# KiCad board Battman.kicad_pcb
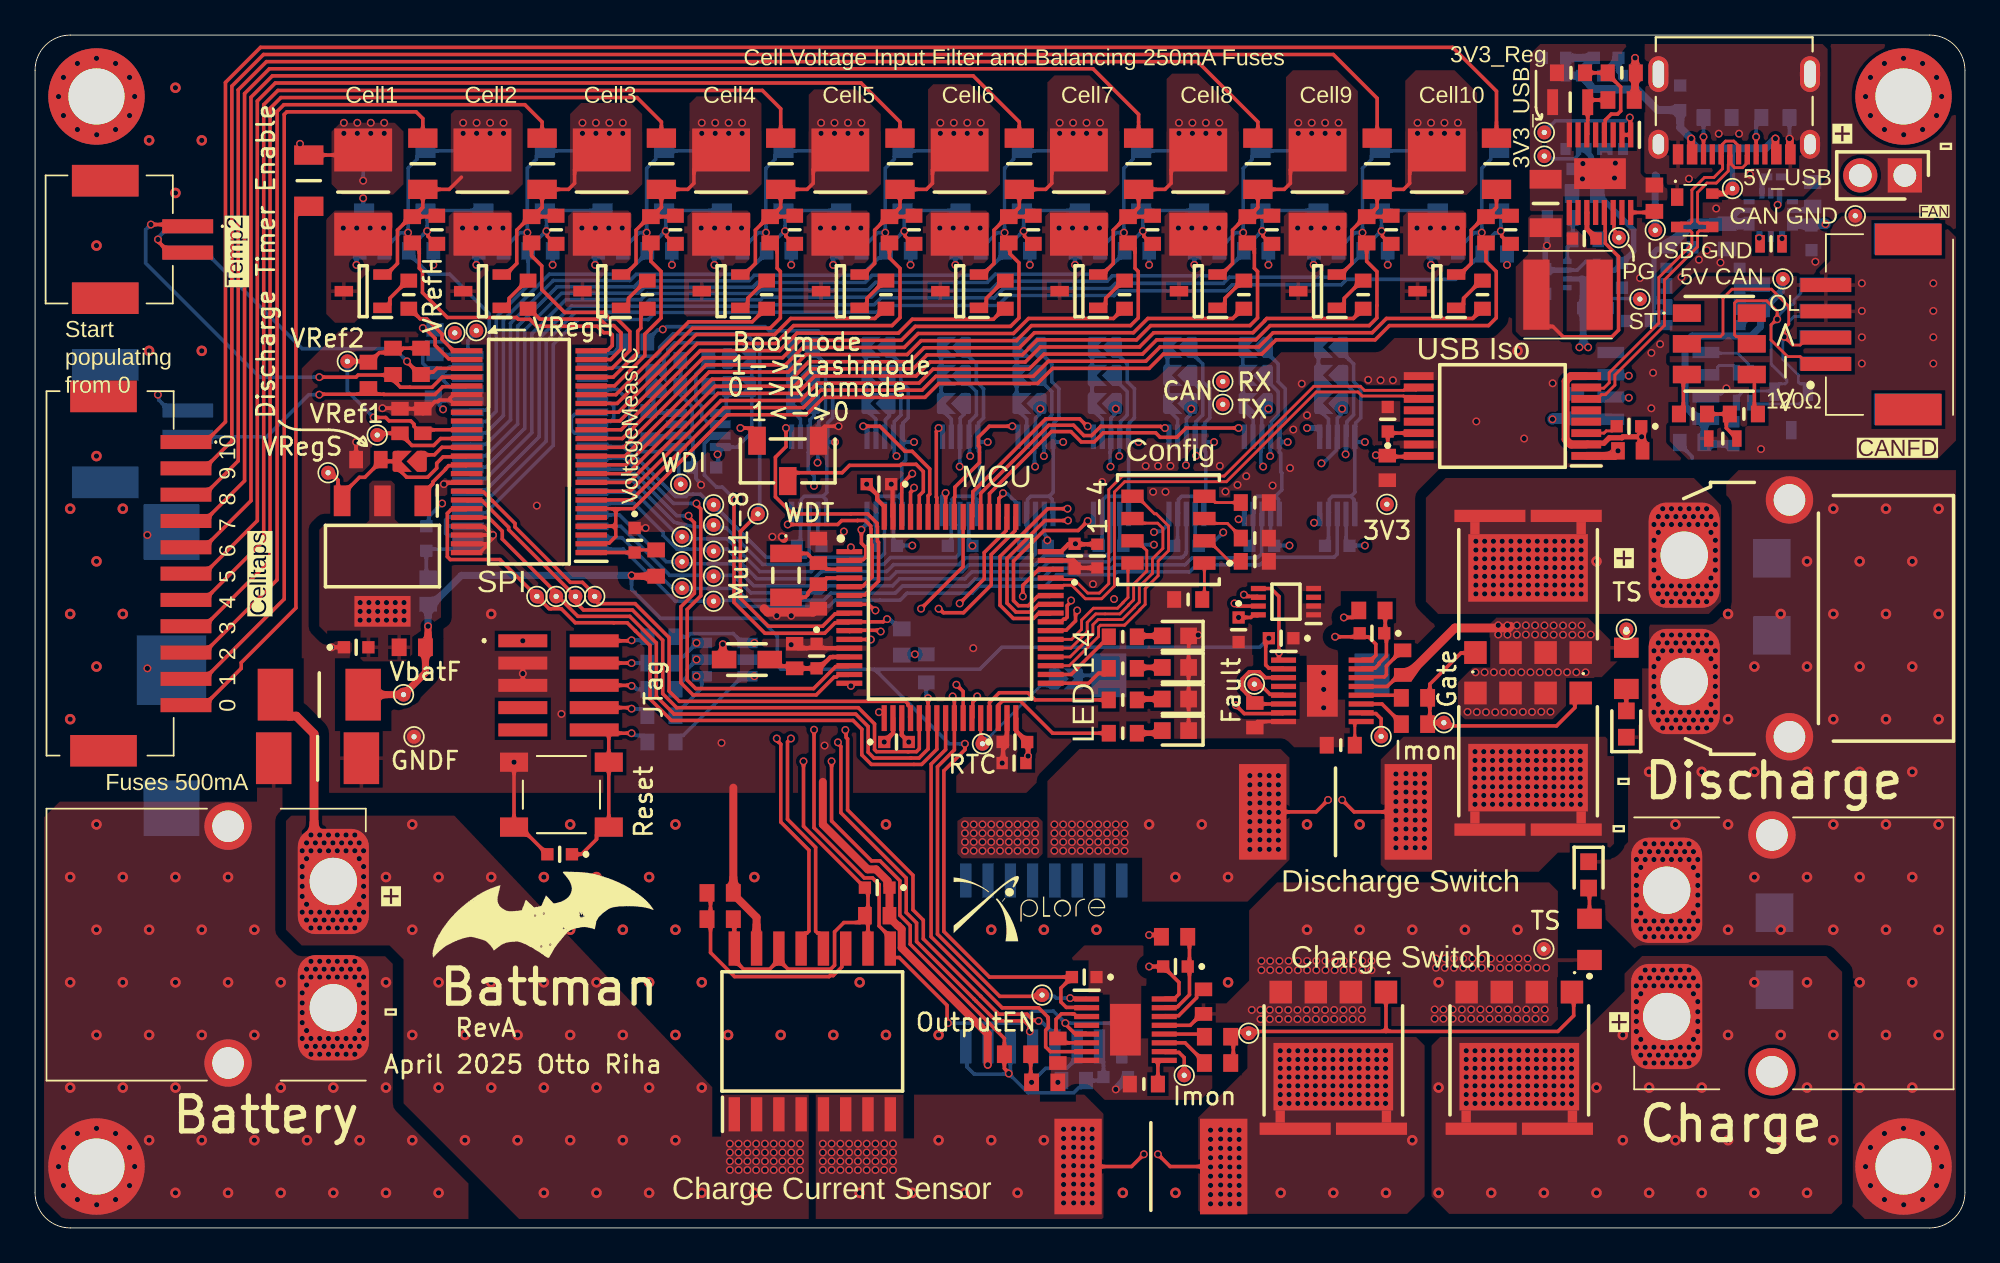
[diagram p0: board, top side]
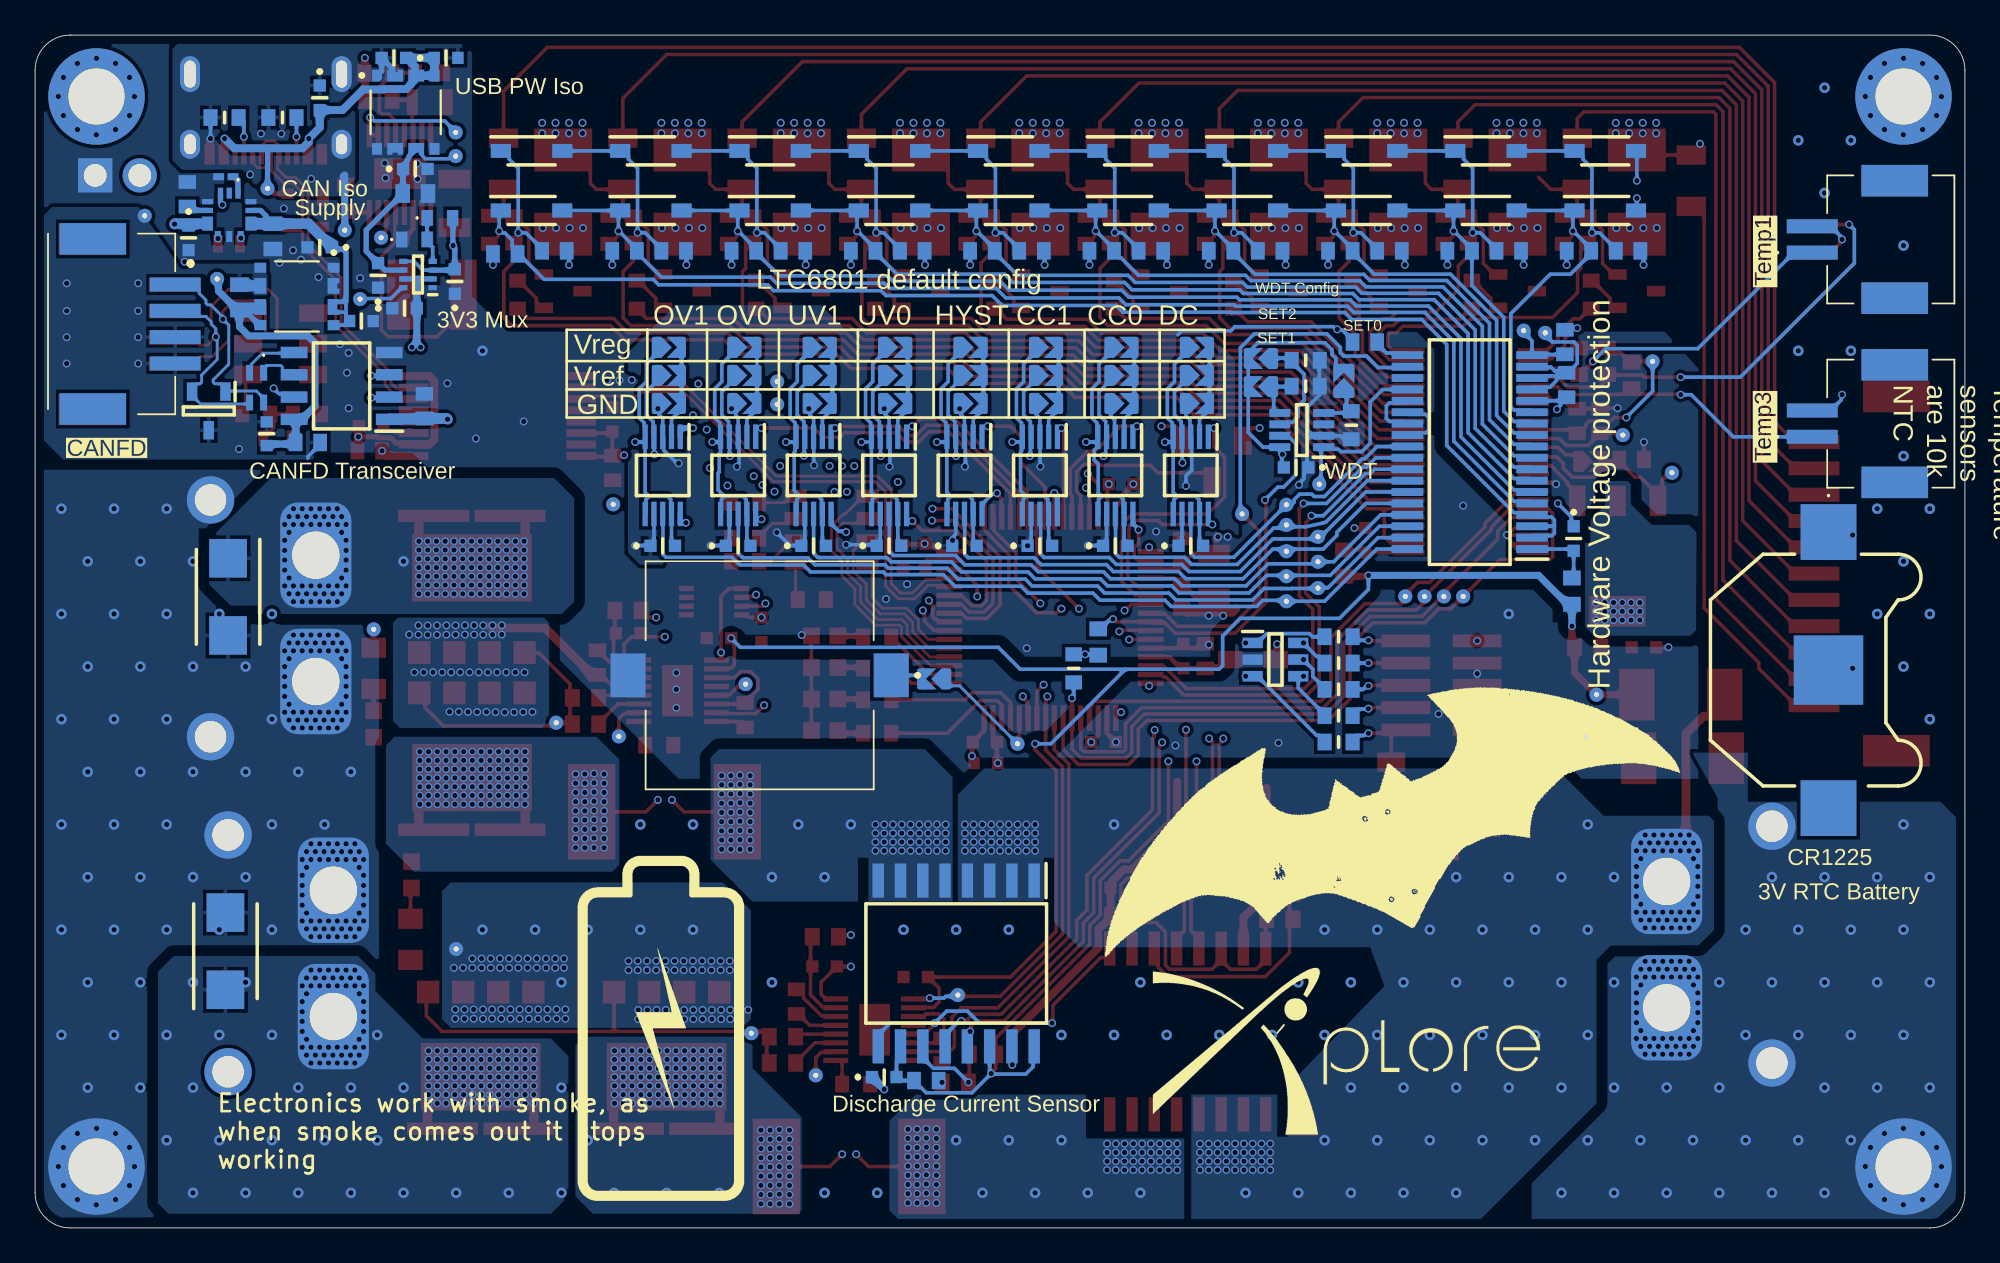
[diagram p1: board, bottom side, seen from below]

Outline 110 x 68 mm; copper layers: Top Layer, Mid Layer 1, Mid Layer 2, Mid Layer 3, Mid Layer 4, Bottom Layer. Coordinates in mm from the lower left corner of the outline.
Outline path: 0,66 arc(0.59,67.41) 2,68 108,68 arc(109.41,67.41) 110,66 110,2 arc(109.41,0.59) 108,0 2,0 arc(0.59,0.59) 0,2 0,66

## Placement (name value [footprint] x y rotation side)
BT700  -  [3000TR]  8.5 31.8 270 bottom
C200A  10nF 100V X7R  [CAPC1608X90N]  22 55.7 180 bottom
C200B  10nF 100V X7R  [CAPC1608X90N]  28.8 55.7 180 bottom
C200C  10nF 100V X7R  [CAPC1608X90N]  35.6 55.7 180 bottom
C200D  10nF 100V X7R  [CAPC1608X90N]  42.4 55.7 180 bottom
C200E  10nF 100V X7R  [CAPC1608X90N]  49.2 55.7 180 bottom
C200F  10nF 100V X7R  [CAPC1608X90N]  56 55.7 180 bottom
C200G  10nF 100V X7R  [CAPC1608X90N]  62.8 55.7 180 bottom
C200H  10nF 100V X7R  [CAPC1608X90N]  69.6 55.7 180 bottom
C200I  10nF 100V X7R  [CAPC1608X90N]  76.4 55.7 180 bottom
C200J  10nF 100V X7R  [CAPC1608X90N]  83.2 55.52 180 bottom
C201A  10nF 100V X7R  [CAPC1608X90N]  19.2 55.7 0 bottom
C201B  10nF 100V X7R  [CAPC1608X90N]  26 55.7 0 bottom
C201C  10nF 100V X7R  [CAPC1608X90N]  32.8 55.7 0 bottom
C201D  10nF 100V X7R  [CAPC1608X90N]  39.6 55.7 0 bottom
C201E  10nF 100V X7R  [CAPC1608X90N]  46.4 55.7 0 bottom
C201F  10nF 100V X7R  [CAPC1608X90N]  53.2 55.7 0 bottom
C201G  10nF 100V X7R  [CAPC1608X90N]  60 55.7 0 bottom
C201H  10nF 100V X7R  [CAPC1608X90N]  66.8 55.7 0 bottom
C201I  10nF 100V X7R  [CAPC1608X90N]  73.6 55.7 0 bottom
C201J  10nF 100V X7R  [CAPC1608X90N]  80.4 55.7 0 bottom
C300  1uF 50V X7R  [CAPC1608X90N]  22.7 48.05 270 bottom
C301  1nF 25V COG  [CAPC1608X90N]  34.2 50.5 180 bottom
C302  1uF 50V X7R  [CAPC1608X90N]  22.8 50.5 90 bottom
C303  100 nF, 100V, X7R  [MAJx16]  38.13 43.35 0 bottom
C304  100 nF, 100V, X7R  [MAJx16]  22.3 39.3 270 bottom
C400  10uF 10V X7R  [GRM18x]  86.58 66.7 0 bottom
C401  100 nF, 100V, X7R  [MAJx16]  89.55 66.7 0 bottom
C402  220nF 50V X7R  [GRM18x]  88.3 56.4 180 top
C403  33uF 25V X5R  [CAPC3216X180N]  86.1 58.4 270 top
C404  2.2 uF, 100V, X7R  [CAPC2012X145N]  87.5 64.17 0 top
C405  100 nF, 100V, X7R  [MAJx16]  88.94 52.43 180 bottom
C406  100 nF, 100V, X7R  [MAJx16]  86.07 53.95 90 bottom
C407  100 nF, 100V, X7R  [MAJx16]  90.45 54.3 90 bottom
C408  100 nF, 100V, X7R  [MAJx16]  93.78 64.42 270 bottom
C409  100 nF, 100V, X7R  [MAJx16]  90.85 45.7 180 top
C410  100 nF, 100V, X7R  [MAJx16]  77.1 46.1 90 top
C411  1uF 50V X7R  [CAPC1608X90N]  77.08 43.32 90 top
C412  1uF 50V X7R  [CAPC1608X90N]  90.93 44.3 0 top
C413  100 nF, 100V, X7R  [MAJx16]  88.33 60.37 180 bottom
C414  22uF 10V X5R  [CAPC1608X105N]  88.33 58.97 0 bottom
C415  10uF 10V X7R  [GRM18x]  91.4 51.7 0 bottom
C416  100 nF, 100V, X7R  [MAJx16]  93.78 55.9 0 bottom
C418  22uF 10V X5R  [CAPC1608X105N]  98.35 53.05 270 bottom
C419  1uF 50V X7R  [CAPC1608X90N]  101.32 58.92 270 bottom
C420  100 nF, 100V, X7R  [MAJx16]  101.25 56.44 270 bottom
C421  22uF 10V X5R  [CAPC1608X105N]  96.45 56.52 90 bottom
C500A  100 nF, 100V, X7R  [MAJx16]  74.23 38.88 180 bottom
C500B  100 nF, 100V, X7R  [MAJx16]  69.93 38.88 180 bottom
C500C  100 nF, 100V, X7R  [MAJx16]  65.63 38.88 180 bottom
C500D  100 nF, 100V, X7R  [MAJx16]  61.33 38.88 180 bottom
C500E  100 nF, 100V, X7R  [MAJx16]  57.03 38.88 180 bottom
C500F  100 nF, 100V, X7R  [MAJx16]  52.73 38.88 180 bottom
C500G  100 nF, 100V, X7R  [MAJx16]  48.43 38.88 180 bottom
C500H  100 nF, 100V, X7R  [MAJx16]  44.13 38.88 180 bottom
C600  100 nF, 100V, X7R  [MAJx16]  18.3 33.1 0 top
C601  1uF 50V X7R  [CAPC1608X90N]  22.1 46 90 top
C602  1uF 50V X7R  [CAPC1608X90N]  20.8 46 90 top
C603  1uF 50V X7R  [CAPC1608X90N]  19 43.8 180 top
C604  100 nF, 100V, X7R  [MAJx16]  34.18 39.2 270 top
C700  1uF 50V X7R  [CAPC1608X90N]  43.3 32.6 270 top
C701  100 nF, 100V, X7R  [MAJx16]  44.55 32.6 270 top
C702  4.7uF, 10V, X7R  [GRM18x]  55.8 26.5 0 top
C703  100 nF, 100V, X7R  [MAJx16]  48.1 42.4 180 top
C704  100 nF, 100V, X7R  [MAJx16]  55.85 27.7 0 top
C705  100 nF, 100V, X7R  [MAJx16]  49.1 27.7 0 top
C706  4.7uF, 10V, X7R  [GRM18x]  60.55 38.3 90 top
C707  100 nF, 100V, X7R  [MAJx16]  59.25 38.3 90 top
C708  100 nF, 100V, X7R  [MAJx16]  29.9 21.3 180 top
C709  4.7uF, 10V, X7R  [GRM18x]  96.8 45.27 270 bottom
C710  100nF 100V X5R  [CAPC1608X90N]  94.45 44.77 0 bottom
C712  100nF 100V X5R  [CAPC1608X90N]  87.81 46.85 270 bottom
C713  4.7nF 100V X7R  [CAPC1608X80N]  96.2 45 0 top
C714  10pF 50V C0G  [CAPC1608X90N]  44.65 38.6 90 top
C715  10pF 50V C0G  [CAPC1608X90N]  44.65 36 270 top
C800A  100 nF, 100V, X7R  [MAJx16]  48 19.4 180 top
C800B  100 nF, 100V, X7R  [MAJx16]  61.6 8.6 180 bottom
C801A  1uF 50V X7R  [CAPC1608X90N]  58.3 10.1 90 top
C801B  1uF 50V X7R  [CAPC1608X90N]  69.53 29.22 90 top
C802A  680nF, 35V, X7R  [CAPC1608X90N]  66.6 12.9 270 top
C802B  680nF, 35V, X7R  [CAPC1608X90N]  77.95 32.22 270 top
C803A  100 nF, 100V, X7R  [MAJx16]  59.8 14.3 180 top
C803B  100 nF, 100V, X7R  [MAJx16]  71.02 33.62 180 top
C804A  1uF 50V X7R  [CAPC1608X90N]  48 17.8 180 top
C804B  1uF 50V X7R  [CAPC1608X90N]  59.2 8.4 0 bottom
C805A  100 nF, 100V, X7R  [MAJx16]  65 14.9 180 top
C805B  100 nF, 100V, X7R  [MAJx16]  76.2 33.9 180 top
C900  100 nF, 100V, X7R  [MAJx16]  68.6 34.1 270 top
D401  PRTR5V0U2X,215  [PRTR5V0U2X]  94.6 58.01 270 top
D700  PESD2CANFD27V-TR  [SOT95P230X110-3N]  100.1 46.57 270 bottom
D800A  SMBJ43A  [DIOM5436X244N]  99.15 15.77 90 bottom
D800B  SMBJ43A  [DIOM5436X244N]  99 35.97 270 bottom
F1  0448.500MR  [FUSC6127X294N]  16.2 30.4 0 top
F2  0448.500MR  [FUSC6127X294N]  16.1 26.77 0 top
F100  0466.250NR  [FUSC3215X66N]  15.6 59.7 90 top
F200A  0466.250NR  [FUSC3215X66N]  22.1 60.66 270 top
F200B  0466.250NR  [FUSC3215X66N]  28.9 60.66 270 top
F200C  0466.250NR  [FUSC3215X66N]  35.7 60.66 270 top
F200D  0466.250NR  [FUSC3215X66N]  42.5 60.66 270 top
F200E  0466.250NR  [FUSC3215X66N]  49.3 60.66 270 top
F200F  0466.250NR  [FUSC3215X66N]  56.1 60.66 270 top
F200G  0466.250NR  [FUSC3215X66N]  62.9 60.66 270 top
F200H  0466.250NR  [FUSC3215X66N]  69.7 60.66 270 top
F200I  0466.250NR  [FUSC3215X66N]  76.5 60.66 270 top
F200J  0466.250NR  [FUSC3215X66N]  83.3 60.66 270 top
FB700  742792097  [FP-742792097-MFG]  40.58 32.4 180 top
FL700  ACE1V2012-121-R  [ACE1V2012121R]  97.38 47.9 270 bottom
IC300  LTC6801IG#3ZZPBF  [SOP65P780X200-36N]  28.23 44.22 0 bottom
IC301  MAX6369KA_V+T  [SOT65P280X145-8N]  37.8 45.48 0 bottom
IC400  MAX77827BEFD+T  [MAX77827BEFDT]  98.93 57.75 270 bottom
IC401  LT3990IMSE-3.3#PBF  [SOP50P490X110-17N]  89.2 60.1 270 top
IC402  TPS2116DRLR  [SOTFL50P160X60-8N]  88.18 54.35 0 bottom
IC403  ISOUSB111DWXR  [SOP65P1030X260-16N]  83.64 46.29 180 top
IC500A  ADG704BRMZ  [SOP50P490X110-10N]  74.23 42.9 270 bottom
IC500B  ADG704BRMZ  [SOP50P490X110-10N]  69.93 42.9 270 bottom
IC500C  ADG704BRMZ  [SOP50P490X110-10N]  65.63 42.9 270 bottom
IC500D  ADG704BRMZ  [SOP50P490X110-10N]  61.33 42.9 270 bottom
IC500E  ADG704BRMZ  [SOP50P490X110-10N]  57.03 42.9 270 bottom
IC500F  ADG704BRMZ  [SOP50P490X110-10N]  52.73 42.9 270 bottom
IC500G  ADG704BRMZ  [SOP50P490X110-10N]  48.43 42.9 270 bottom
IC500H  ADG704BRMZ  [SOP50P490X110-10N]  44.13 42.9 270 bottom
IC600  LTC6811IG-2#PBF  [SOP50P780X200-48N]  28.15 44.25 180 top
IC700  STM32L552RET6  [QFP50P1200X1200X160-64N]  52.15 34.8 0 top
IC701  ISO1044BDR  [SOIC127P600X175-8N]  92.53 48 0 bottom
IC702  ESDA6V1-5SC6  [SOT95P280X145-6N]  39.3 32.4 180 bottom
IC800A  ACS37002KMABTR-050B3  [SOIC127P1030X265-16N]  44.3 11.2 90 top
IC800B  ACS37002KMABTR-050B3  [SOIC127P1030X265-16N]  57.5 15.07 270 bottom
IC801A  LTC7000EMSE#PBF  [SOP50P490X110-17N]  62.15 11.3 0 top
IC801B  LTC7000EMSE#PBF  [SOP50P490X110-17N]  73.37 30.62 0 top
IC900  SN74LVC2G74DCUTE4  [SOP50P310X90-8N]  71.3 35.7 180 top
J1  XT60PW-M  [XT60PWM]  17 16.15 90 top
J2  XT60PW-M  [XT60PWM#2]  93 15.65 270 top
J3  502585-0270  [5025850270]  5.38 56.35 90 bottom
J4  XT60PW-F  [XT60PWF]  94 38.35 270 top
J5  502585-0270  [5025850270]  5.38 56.35 270 top
J6  502585-0270  [5025850270]  5.38 45.85 90 bottom
J7  502585-1170  [5025851170]  5.5 38.05 270 top
J8  502585-0470  [5025850470]  105.64 51.53 270 bottom
J9  502585-0470  [5025850470]  105.7 51.5 90 top
J10  10171746-00021LF  [AMPHENOL_10171746-00021LF]  96.85 65.77 180 top
J11  61300211121  [HDRV2W110P0X254_1X2_508X254X854P]  106.58 60 180 top
J700  FTSH-105-01-L-DV-K  [FTSH10501LDVK]  27.8 30.93 270 top
JS300  SolderJumper  [SOLDERJUMPER]  35.4 48.33 180 bottom
JS301  SolderJumper  [SOLDERJUMPER]  40.18 47.96 90 bottom
JS302  SolderJumper  [SOLDERJUMPER]  40.18 49.56 90 bottom
JS500A  SolderJumper  [SOLDERJUMPER]  73.83 50.2 270 bottom
JS500B  SolderJumper  [SOLDERJUMPER]  69.53 50.2 270 bottom
JS500C  SolderJumper  [SOLDERJUMPER]  65.23 50.2 270 bottom
JS500D  SolderJumper  [SOLDERJUMPER]  60.93 50.2 270 bottom
JS500E  SolderJumper  [SOLDERJUMPER]  56.63 50.2 270 bottom
JS500F  SolderJumper  [SOLDERJUMPER]  52.33 50.2 270 bottom
JS500G  SolderJumper  [SOLDERJUMPER]  48.03 50.2 270 bottom
JS500H  SolderJumper  [SOLDERJUMPER]  43.73 50.2 270 bottom
JS501A  SolderJumper  [SOLDERJUMPER]  73.83 48.6 270 bottom
JS501B  SolderJumper  [SOLDERJUMPER]  69.53 48.6 270 bottom
JS501C  SolderJumper  [SOLDERJUMPER]  65.23 48.6 270 bottom
JS501D  SolderJumper  [SOLDERJUMPER]  60.93 48.6 270 bottom
JS501E  SolderJumper  [SOLDERJUMPER]  56.63 48.6 270 bottom
JS501F  SolderJumper  [SOLDERJUMPER]  52.33 48.6 270 bottom
JS501G  SolderJumper  [SOLDERJUMPER]  48.03 48.6 270 bottom
JS501H  SolderJumper  [SOLDERJUMPER]  43.73 48.6 270 bottom
JS502A  SolderJumper  [SOLDERJUMPER]  73.83 47 270 bottom
JS502B  SolderJumper  [SOLDERJUMPER]  69.53 47 270 bottom
JS502C  SolderJumper  [SOLDERJUMPER]  65.23 47 270 bottom
JS502D  SolderJumper  [SOLDERJUMPER]  60.93 47 270 bottom
JS502E  SolderJumper  [SOLDERJUMPER]  56.63 47 270 bottom
JS502F  SolderJumper  [SOLDERJUMPER]  52.33 47 270 bottom
JS502G  SolderJumper  [SOLDERJUMPER]  48.03 47 270 bottom
JS502H  SolderJumper  [SOLDERJUMPER]  43.73 47 270 bottom
JS600  SolderJumper  [SOLDERJUMPER]  21.3 43.7 90 top
JS700  SolderJumper  [SOLDERJUMPER]  58.8 31.3 90 bottom
L400  VLS5045EX-220M  [VLS5045EX330M]  87.38 53.2 180 top
L401  DFE18SBN1R0ME0L  [DFE18SAN1R0ME0L]  98.95 56.1 180 top
LED700  150060VS75000  [LEDC1608X80N]  65 33.75 180 top
LED701  150060YS75000  [LEDC1608X80N]  65 31.95 180 top
LED702  150060AS75000  [LEDC1608X80N]  65 30.15 180 top
LED703  150060RS75000  [LEDC1608X80N]  65 28.35 180 top
LED800A  150060VS75000  [LEDC1608X80N]  88.55 20.12 270 top
LED800B  150060VS75000  [LEDC1608X80N]  90.7 28.72 90 top
LS700  CPT-1625-80-SMT-TR  [CPT162580SMTTR]  68.7 31.5 90 bottom
PS400  R05C1TF05S-R  [CONV_R05C1TF05S-R]  88.88 63.6 180 bottom
PS401  R05C1TF05S-R  [CONV_R05C1TF05S-R]  95.08 53.1 270 bottom
Q200A  NX2301P,215  [SOT95P230X110-3N]  18.7 53.4 180 top
Q200B  NX2301P,215  [SOT95P230X110-3N]  25.5 53.4 180 top
Q200C  NX2301P,215  [SOT95P230X110-3N]  32.3 53.4 180 top
Q200D  NX2301P,215  [SOT95P230X110-3N]  39.1 53.4 180 top
Q200E  NX2301P,215  [SOT95P230X110-3N]  45.9 53.4 180 top
Q200F  NX2301P,215  [SOT95P230X110-3N]  52.7 53.4 180 top
Q200G  NX2301P,215  [SOT95P230X110-3N]  59.5 53.4 180 top
Q200H  NX2301P,215  [SOT95P230X110-3N]  66.3 53.4 180 top
Q200I  NX2301P,215  [SOT95P230X110-3N]  73.1 53.4 180 top
Q200J  NX2301P,215  [SOT95P230X110-3N]  79.9 53.4 180 top
Q600  BCP56-16TF  [SOT230P700X180-4N]  19.8 38.3 270 top
Q800A  SQJQ160E-T1_GE3  [SQJQ160ET1_GE3]  74 9.55 180 top
Q800B  SQJQ160E-T1_GE3  [SQJQ160ET1_GE3]  85.1 26.6 180 top
Q801A  SQJQ160E-T1_GE3  [SQJQ160ET1_GE3]  84.6 9.55 180 top
Q801B  SQJQ160E-T1_GE3  [SQJQ160ET1_GE3]  85.1 36.69 0 top
R1  CRCW06035K10FKEBC  [RESC1608X55N]  95.9 63.3 180 bottom
R2  CRCW06035K10FKEBC  [RESC1608X55N]  99.2 63.3 180 bottom
R200A  AF0603FR-071KL  [RESC1608X55N]  22.9 56.9 270 top
R200B  AF0603FR-071KL  [RESC1608X55N]  29.7 56.9 270 top
R200C  AF0603FR-071KL  [RESC1608X55N]  36.5 56.9 270 top
R200D  AF0603FR-071KL  [RESC1608X55N]  43.3 56.9 270 top
R200E  AF0603FR-071KL  [RESC1608X55N]  50.1 56.9 270 top
R200F  AF0603FR-071KL  [RESC1608X55N]  56.9 56.9 270 top
R200G  AF0603FR-071KL  [RESC1608X55N]  63.7 56.9 270 top
R200H  AF0603FR-071KL  [RESC1608X55N]  70.5 56.9 270 top
R200I  AF0603FR-071KL  [RESC1608X55N]  77.3 56.9 270 top
R200J  AF0603FR-071KL  [RESC1608X55N]  84.1 56.9 270 top
R201A  CRCW0603100RFKEA  [RESC1608X50N]  21.5 56.9 270 top
R201B  CRCW0603100RFKEA  [RESC1608X50N]  28.3 56.9 270 top
R201C  CRCW0603100RFKEA  [RESC1608X50N]  35.1 56.9 270 top
R201D  CRCW0603100RFKEA  [RESC1608X50N]  41.9 56.9 270 top
R201E  CRCW0603100RFKEA  [RESC1608X50N]  48.7 56.9 270 top
R201F  CRCW0603100RFKEA  [RESC1608X50N]  55.5 56.9 270 top
R201G  CRCW0603100RFKEA  [RESC1608X50N]  62.3 56.9 270 top
R201H  CRCW0603100RFKEA  [RESC1608X50N]  69.1 56.9 270 top
R201I  CRCW0603100RFKEA  [RESC1608X50N]  75.9 56.9 270 top
R201J  CRCW0603100RFKEA  [RESC1608X50N]  82.7 56.9 270 top
R202A  3k3 1%  [RESC1608X55N]  21.3 53.2 270 top
R202B  3k3 1%  [RESC1608X55N]  28.1 53.2 270 top
R202C  3k3 1%  [RESC1608X55N]  34.9 53.2 270 top
R202D  3k3 1%  [RESC1608X55N]  41.7 53.2 270 top
R202E  3k3 1%  [RESC1608X55N]  48.5 53.2 270 top
R202F  3k3 1%  [RESC1608X55N]  55.3 53.2 270 top
R202G  3k3 1%  [RESC1608X55N]  62.1 53.2 270 top
R202H  3k3 1%  [RESC1608X55N]  68.9 53.2 270 top
R202I  3k3 1%  [RESC1608X55N]  75.7 53.2 270 top
R202J  3k3 1%  [RESC1608X55N]  82.5 53.2 270 top
R203A  33R, 2W, 5%  [RESC6331X80N]  18.7 59.05 270 top
R203B  33R, 2W, 5%  [RESC6331X80N]  25.5 59.05 270 top
R203C  33R, 2W, 5%  [RESC6331X80N]  32.3 59.05 270 top
R203D  33R, 2W, 5%  [RESC6331X80N]  39.1 59.05 270 top
R203E  33R, 2W, 5%  [RESC6331X80N]  45.9 59.05 270 top
R203F  33R, 2W, 5%  [RESC6331X80N]  52.7 59.05 270 top
R203G  33R, 2W, 5%  [RESC6331X80N]  59.5 59.05 270 top
R203H  33R, 2W, 5%  [RESC6331X80N]  66.3 59.05 270 top
R203I  33R, 2W, 5%  [RESC6331X80N]  73.1 59.05 270 top
R203J  33R, 2W, 5%  [RESC6331X80N]  79.9 59.05 270 top
R300  100k 1%  [RESC1608X55N]  34.98 45.76 90 bottom
R301  100k 1%  [RESC1608X55N]  37.58 47.98 0 bottom
R302  100k 1%  [RESC1608X55N]  37.58 49.46 0 bottom
R303  CRCW0603100RFKEA  [RESC1608X50N]  22.4 36.3 90 bottom
R400  4.99k 1%  [RESC0603X26N]  99.13 59.92 0 bottom
R402  1.3M 1%  [RESC1608X55N]  90.44 65.85 0 top
R403  232k 1%  [RESC1608X50N]  92.3 58.7 90 top
R404  100R, 1%  [RESC1608X50N]  90.4 64.3 0 top
R405  100k 1%  [RESC1608X55N]  87.55 65.85 0 top
R406  150k 0.5%  [ERA3AEB101V]  86.93 57.57 180 bottom
R407  150k 0.5%  [ERA3AEB101V]  88.37 56.35 180 bottom
R600  CRCW0603100RFKEA  [RESC1608X50N]  21.5 33.1 180 top
R601  CRCW060310K0FKEI  [RESC1608X50N]  19 48.6 270 top
R602  CRCW060310K0FKEI  [RESC1608X50N]  20.4 49.4 270 top
R603  CRCW060310K0FKEI  [RESC1608X50N]  22 49.4 270 top
R604  CRCW0603100RFKEA  [RESC1608X50N]  35.4 37.9 90 top
R700  270R 1%  [RESC1608X55N]  62 33.7 180 top
R701  270R 1%  [RESC1608X55N]  62 31.9 180 top
R702  270R 1%  [RESC1608X55N]  62 30.1 180 top
R703  270R 1%  [RESC1608X55N]  62 28.2 180 top
R704  22Ohm 1%  [RESC1608X55N]  65.73 35.82 0 top
R705  22Ohm 1%  [RESC1608X55N]  69.53 38 180 top
R706  22Ohm 1%  [RESC1608X55N]  69.53 39.32 180 top
R707  22Ohm 1%  [RESC1608X55N]  69.53 41.35 180 top
R708  60.4R, 1%  [RESC1608X55N]  97.4 46.4 180 top
R709  60.4R, 1%  [RESC1608X55N]  94.5 46.4 180 top
R711  5.1k, 1%  [RESC1608X55N]  50.8 31.9 270 bottom
R712  22Ohm 1%  [RESC1608X55N]  35.7 33.7 0 bottom
R713  22Ohm 1%  [RESC1608X55N]  35.7 32.2 0 bottom
R714  22Ohm 1%  [RESC1608X55N]  35.7 30.7 0 bottom
R715  22Ohm 1%  [RESC1608X55N]  35.7 29.2 0 bottom
R716  22Ohm 1%  [RESC1608X55N]  35.7 27.7 0 bottom
R800A  3.3k 0.5% 0.5W  [ERJP06D1000V]  88.6 16.45 90 top
R800B  3.3k 0.5% 0.5W  [ERJP06D1000V]  90.7 31.9 270 top
R801A  0Ohm  [RESC1608X50N]  39.05 17.6 0 top
R801B  0Ohm  [RESC1608X50N]  56 9.9 180 top
R802A  0Ohm  [RESC1608X50N]  39.05 19.1 180 top
R802B  0Ohm  [RESC1608X50N]  57.55 8.3 180 top
R803A  0Ohm  [RESC1608X50N]  67.4 10.9 0 top
R803B  0Ohm  [RESC1608X50N]  78.62 30.22 0 top
R804A  0Ohm  [RESC1608X50N]  67.4 9.4 0 top
R804B  0Ohm  [RESC1608X50N]  78.62 28.72 0 top
R805A  200uOhm 3W 1%  [RESC10052X63N]  63.6 3.5 0 top
R805B  200uOhm 3W 1%  [RESC10052X63N#2]  74.12 23.72 0 top
R806A  100R, 1%  [RESC1608X50N]  64.95 16.6 180 top
R806B  100R, 1%  [RESC1608X50N]  76.2 35.2 180 top
R807A  40k 0.1%  [RESC1608X55N]  63.2 8.2 0 top
R807B  40k 0.1%  [RESC1608X55N]  74.42 27.52 0 top
R900  CRCW060310K0FKEI  [RESC1608X50N]  49.4 33.4 90 bottom
S700  -  [MJTP1140A]  30 24.7 90 top
S701  218-4LPSTJ  [2184LPSTJ]  64.6 39.8 90 top
S702  CAS-120TA  [CAS120TA]  42.9 43.72 180 top
S703  CAS-220TA  [CAS220TA]  96 50.4 270 top
TP1  Testpoint  [TESTPOINT]  21 30.4 90 top
TP2  Testpoint  [TESTPOINT]  21.6 28 90 top
TP300  Testpoint  [TESTPOINT]  25.15 51.15 270 top
TP301  Testpoint  [TESTPOINT]  23.93 51.02 270 top
TP302  Testpoint  [TESTPOINT]  38.68 41.22 270 top
TP303  Testpoint  [TESTPOINT]  38.68 40.07 270 top
TP304  Testpoint  [TESTPOINT]  36.88 39.4 270 top
TP305  Testpoint  [TESTPOINT]  38.68 38.57 270 top
TP306  Testpoint  [TESTPOINT]  36.88 37.97 270 top
TP307  Testpoint  [TESTPOINT]  38.68 37.15 270 top
TP308  Testpoint  [TESTPOINT]  36.88 36.47 270 top
TP309  Testpoint  [TESTPOINT]  38.68 35.72 270 top
TP310  Testpoint  [TESTPOINT]  41.2 40.7 270 top
TP311  Testpoint  [TESTPOINT]  36.8 42.4 270 top
TP312  Testpoint  [TESTPOINT]  69.5 31 180 top
TP400  Testpoint  [TESTPOINT]  96.75 59.25 0 top
TP401  Testpoint  [TESTPOINT]  77.05 41.25 180 top
TP402  Testpoint  [TESTPOINT]  86.03 62.45 0 top
TP403  -  [Testpoint]  86.03 61.1 90 top
TP404  Testpoint  [TESTPOINT]  91.48 52.95 90 top
TP405  Testpoint  [TESTPOINT]  90.28 56.45 0 top
TP406  -  [Testpoint]  92.35 56.88 90 top
TP407  -  [Testpoint]  99.63 54.1 90 top
TP408  -  [Testpoint]  103.75 57.7 90 top
TP600  Testpoint  [TESTPOINT]  16.7 43.05 0 top
TP601  Testpoint  [TESTPOINT]  19.5 45.2 270 top
TP602  Testpoint  [TESTPOINT]  17.8 49.4 270 top
TP603  Testpoint  [TESTPOINT]  29.7 36 90 top
TP604  Testpoint  [TESTPOINT]  28.6 36 90 top
TP605  Testpoint  [TESTPOINT]  30.8 36 90 top
TP606  Testpoint  [TESTPOINT]  31.9 36 90 top
TP700  Testpoint  [TESTPOINT]  54 27.6 90 top
TP705  Testpoint  [TESTPOINT]  67.7 46.95 90 top
TP706  Testpoint  [TESTPOINT]  67.7 48.25 90 top
TP800A  Testpoint  [TESTPOINT]  86 15.9 0 top
TP800B  Testpoint  [TESTPOINT]  90.7 34.12 0 top
TP801A  Testpoint  [TESTPOINT]  69.18 11.1 270 top
TP801B  Testpoint  [TESTPOINT]  80.3 28.8 270 top
TP802A  Testpoint  [TESTPOINT]  65.5 8.7 90 top
TP802B  Testpoint  [TESTPOINT]  76.72 28.02 90 top
TP900  Testpoint  [TESTPOINT]  57.4 13.27 90 top
X1  Trou pour Vis M3 celon DIN912  [VISM3]  3.5 64.5 0 top
X2  Trou pour Vis M3 celon DIN912  [VISM3]  3.5 3.5 0 top
X3  Trou pour Vis M3 celon DIN912  [VISM3]  106.5 64.5 0 top
X4  Trou pour Vis M3 celon DIN912  [VISM3]  106.5 3.5 0 top
Y700  FC-135_32.7680KA-AG0  [FC135327680KAAG0]  42.8 37.2 270 top
Z200A  MMSZ4692T1G  [SOD3716X135N]  20.5 58 180 bottom
Z200B  MMSZ4692T1G  [SOD3716X135N]  27.3 58 180 bottom
Z200C  MMSZ4692T1G  [SOD3716X135N]  34.1 58 180 bottom
Z200D  MMSZ4692T1G  [SOD3716X135N]  40.9 58 180 bottom
Z200E  MMSZ4692T1G  [SOD3716X135N]  47.7 58 180 bottom
Z200F  MMSZ4692T1G  [SOD3716X135N]  54.5 58 180 bottom
Z200G  MMSZ4692T1G  [SOD3716X135N]  61.3 58 180 bottom
Z200H  MMSZ4692T1G  [SOD3716X135N]  68.1 58 180 bottom
Z200I  MMSZ4692T1G  [SOD3716X135N]  74.9 58 180 bottom
Z200J  MMSZ4692T1G  [SOD3716X135N]  81.7 58 180 bottom
Z201A  MMSZ4692T1G  [SOD3716X135N]  20.5 61.4 180 bottom
Z201B  MMSZ4692T1G  [SOD3716X135N]  27.3 61.4 180 bottom
Z201C  MMSZ4692T1G  [SOD3716X135N]  34.1 61.4 180 bottom
Z201D  MMSZ4692T1G  [SOD3716X135N]  40.9 61.4 180 bottom
Z201E  MMSZ4692T1G  [SOD3716X135N]  47.7 61.4 180 bottom
Z201F  MMSZ4692T1G  [SOD3716X135N]  54.5 61.4 180 bottom
Z201G  MMSZ4692T1G  [SOD3716X135N]  61.3 61.4 180 bottom
Z201H  MMSZ4692T1G  [SOD3716X135N]  68.1 61.4 180 bottom
Z201I  MMSZ4692T1G  [SOD3716X135N]  74.9 61.4 180 bottom
Z201J  MMSZ4692T1G  [SOD3716X135N]  81.7 61.4 180 bottom
